# Altium PCB BLDC_DRIVER_auto_router.PcbDoc (part 2 of 3)
Units mil, origin at the board's own origin, x right, y up, seen from the top; angles counter-clockwise.
Board outline 6000 x 4000 mil, 4 copper layers (Top Layer, Signal Layer 1, Signal Layer 2, Bottom Layer), stack 33.334 mil thick; 189 components, 186 nets, 846 pads, 350 vias.
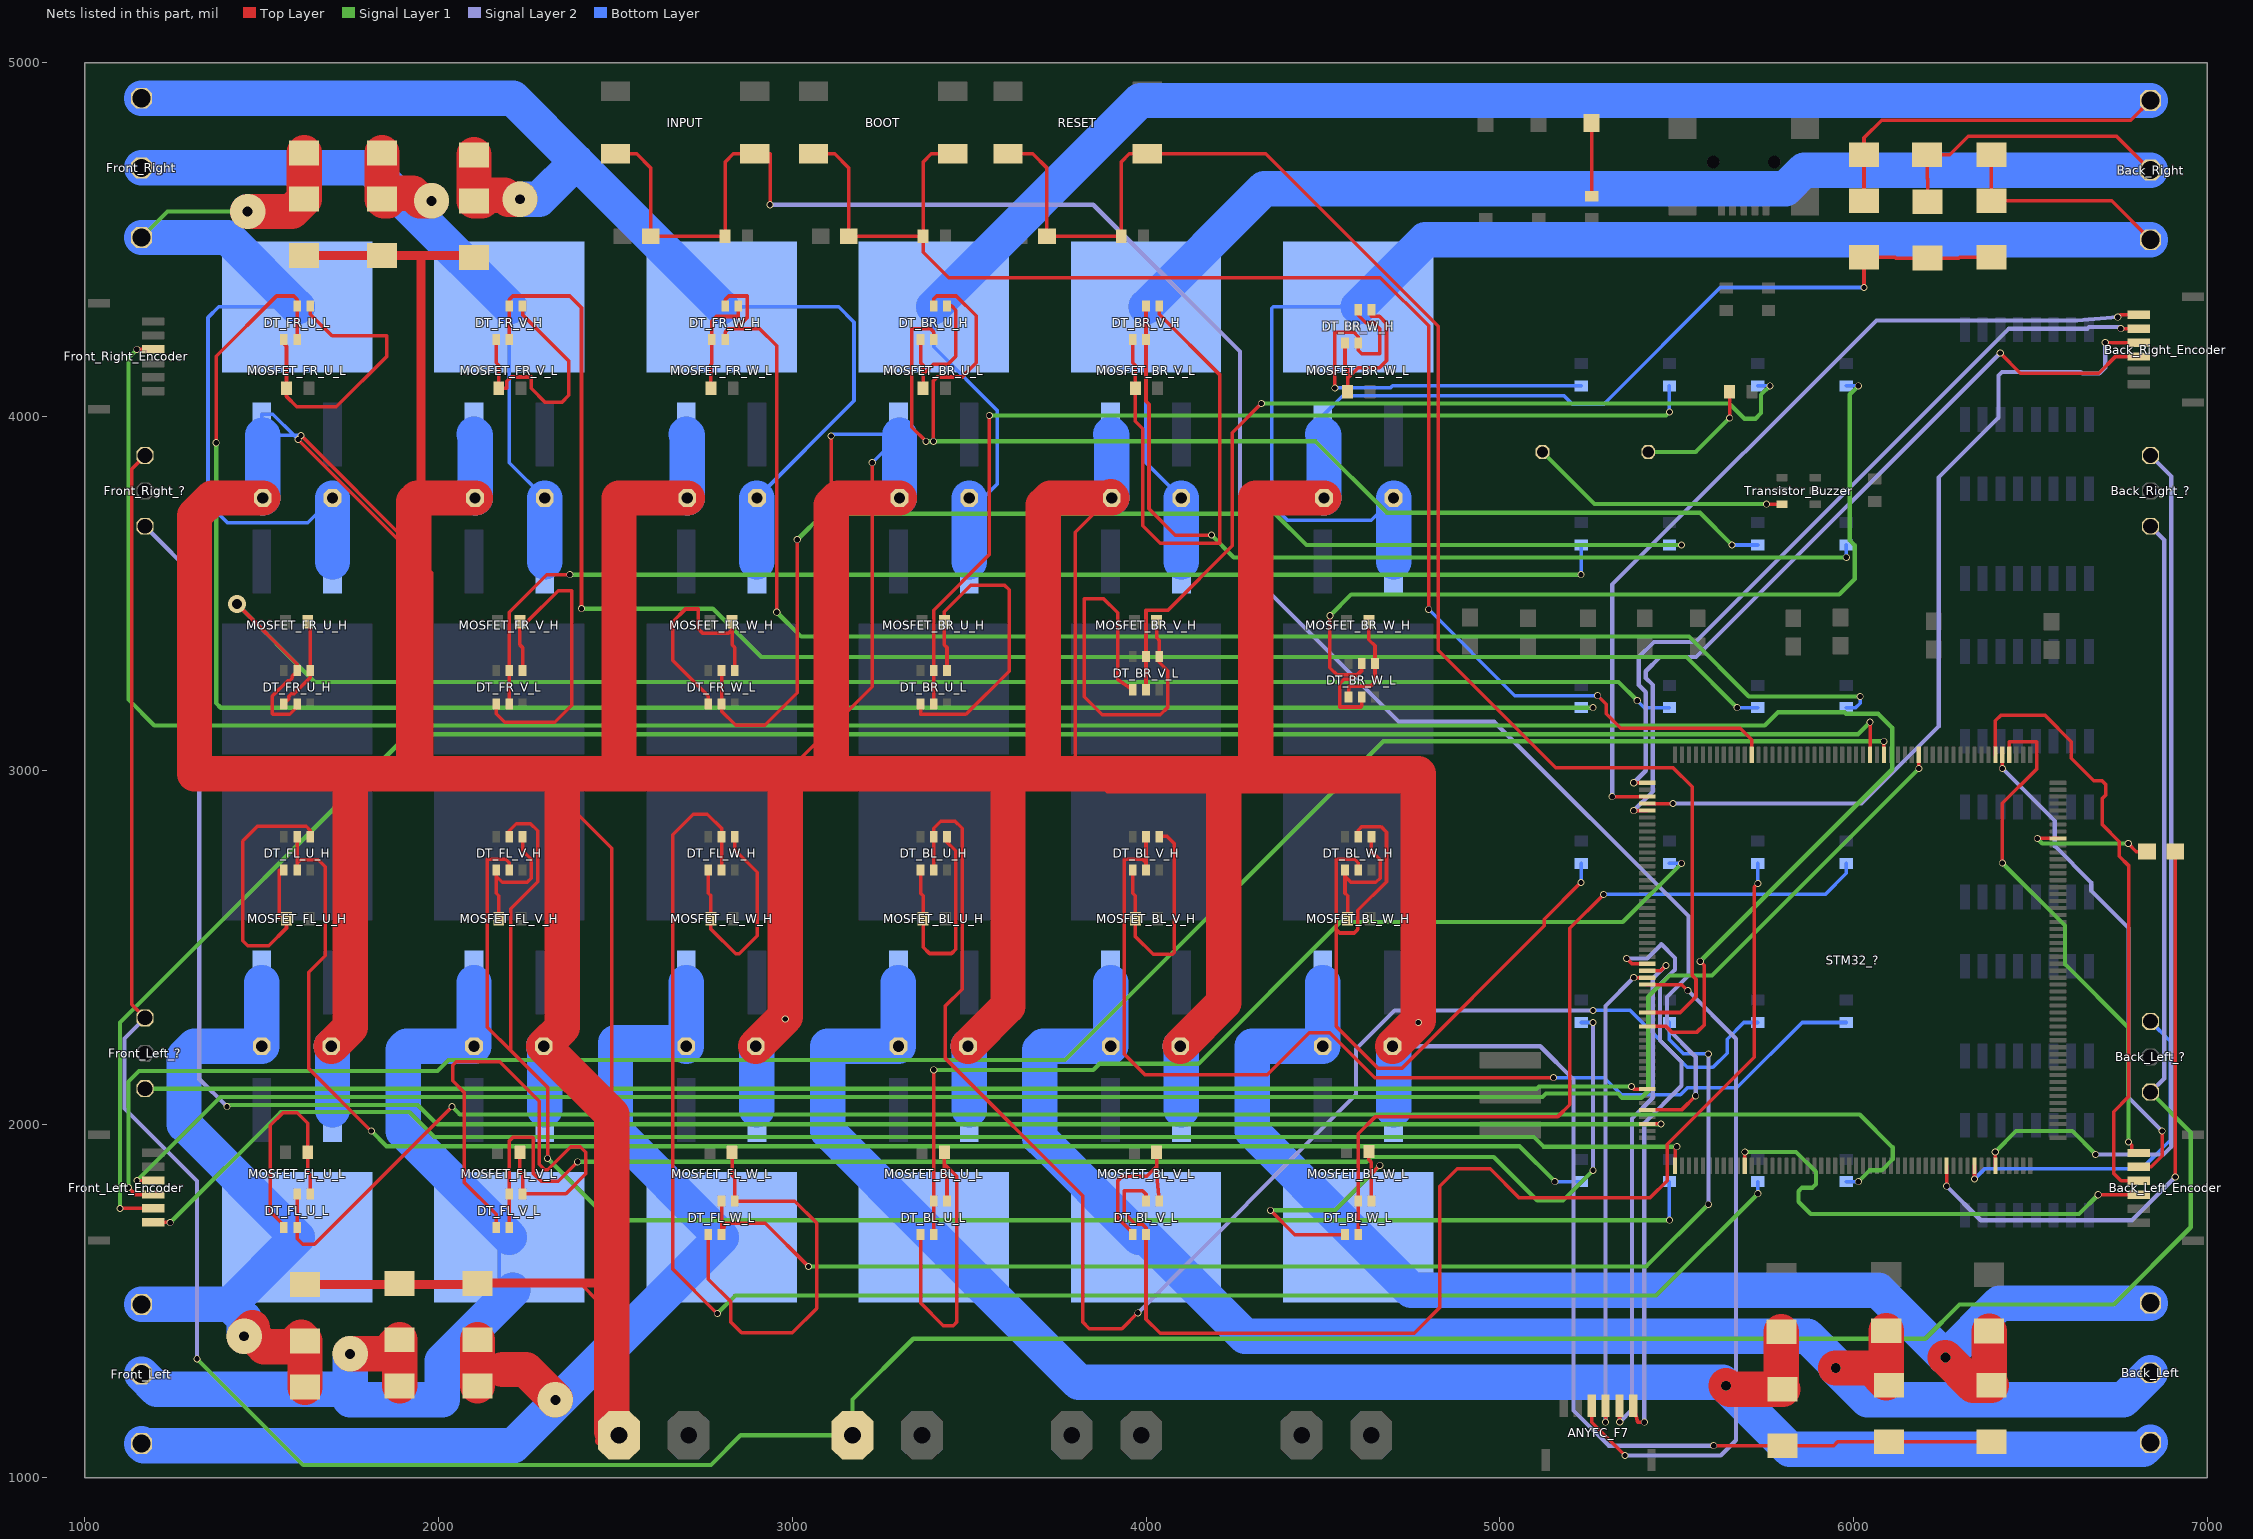
[diagram p4: the nets of this part, all layers, seen from the top]

## Via types
v1: diameter 20, hole 15, Top Layer to Bottom Layer, 335 vias
v2: diameter 100, hole 28, Top Layer to Bottom Layer, 7 vias
v3: diameter 50, hole 28, Top Layer to Bottom Layer, 5 vias
v4: diameter 28, hole 28, Top Layer to Bottom Layer, 3 vias

## Nets (pads, with @x,y where several pads share a name; then routed paths per layer and width w, separated by ;. In a path a pad name is that pad's centre, name@x,y a point inside that pad or via, vN(x,y) a via of type N, cw(c..) or ccw(c..) an arc to the next point about the centre after c; other vN are vias at no path point) (continued)
GND_MOTOR: C_BL_U.2 C_BL_V.2 C_BL_W.2 C_BR_U.2 C_BR_V.2 C_BR_W.2 C_FL_U.2 C_FL_V.2 C_FL_W.2 C_FR_U.2 C_FR_V.2 C_FR_W.2 MOSFET_BL_U_L.S MOSFET_BL_V_L.S MOSFET_BL_W_L.S MOSFET_BR_U_L.S MOSFET_BR_V_L.S MOSFET_BR_W_L.S MOSFET_FL_U_L.S MOSFET_FL_V_L.S MOSFET_FL_W_L.S MOSFET_FR_U_L.S MOSFET_FR_V_L.S MOSFET_FR_W_L.S MOTOR_Supply.1 Schottky_diode_BL_U_L.1 Schottky_diode_BL_V_L.1 Schottky_diode_BL_W_L.1 Schottky_diode_BR_U_L.1 Schottky_diode_BR_V_L.1 Schottky_diode_BR_W_L.1 Schottky_diode_FL_U_L.1 Schottky_diode_FL_V_L.1 Schottky_diode_FL_W_L.1 Schottky_diode_FR_U_L.1 Schottky_diode_FR_V_L.1 Schottky_diode_FR_W_L.1 | length 36630.7
  Top Layer w10: v1(1603,3935) 1930,3608 ; v1(1611,3946.85) 1930,3627.85 1930,3608 ; Schottky_diode_FL_U_L.1@1618.7,1549.45 Schottky_diode_FL_V_L.1@1890,1549.45 Schottky_diode_FL_W_L.1@2110,1549.45 2400,1549.45 ; MOTOR_Supply.1@2453.98,1103.98 2453.98,1495.47 2400,1549.45 ; MOTOR_Supply.1@2470,1120 MOTOR_Supply.1@2510,1120 ; v1(2980,2296.85) 2980,2303.15 2980,2990 ; v1(3110,3945) 3110,3750 3110,3120 ; v1(3226,3869.7) 3226,3236 3110,3120 ; C_BR_V.2@3900,3773.15 3800,3673.15 3800,3030 3890,2940 4720,2940 4770,2890 4770,2293.15 v1(4770,2287) ; v1(5605,1090.55) Schottky_diode_BL_U_L.1@5800,1090.55 5944,1090.55 5955.14,1101.69 Schottky_diode_BL_V_L.1@6100.19,1101.69 Schottky_diode_BL_W_L.1@6390.19,1101.69 ; v1(6030,4365) Schottky_diode_BR_U_L.1@6030,4450.55 6118,4450.55 6120.32,4448.23 Schottky_diode_BR_V_L.1@6210,4448.23 6298,4448.23 6300.32,4450.55 Schottky_diode_BR_W_L.1@6390,4450.55 ; 1930,3608 1980,3558 1980,3040 2030,2990 ; 1930,3608 1930,3040 1980,2990 2030,2990 ; 2030,2990 2280,2990 ; 2280,2990 2350,2990 2510,2990 2980,2990 ; 2280,2990 2490,2780 2490,2026.85 2490,1600 2439.45,1549.45 2400,1549.45 ; 2980,2990 3110,3120 ; 2980,2990 3060,2990 3110,3040 3110,3120
  Top Layer w25: Schottky_diode_FL_U_L.1@1618.7,1549.45 Schottky_diode_FL_U_L.1@1622.13,1546.02 2106.57,1546.02 Schottky_diode_FL_W_L.1@2110,1549.45 2110.55,1550 2490,1550 ; Schottky_diode_FR_U_L.1@1620,4455.55 Schottky_diode_FR_V_L.1@1840,4455.55 1950,4455.55 ; 1930,3760 1940,3770 1950,3780 1950,4455.55 ; Schottky_diode_FR_W_L.1@2100,4450 2094.45,4455.55 1950,4455.55 ; MOTOR_Supply.1@2453.98,1103.98 MOTOR_Supply.1@2470,1120 ; MOTOR_Supply.1@2490,1130.55 2499.45,1130.55 MOTOR_Supply.1@2510,1120
  Top Layer w100: C_FR_U.2@1503.15,3770 1360,3770 1310,3720 1310,2990 1750,2990 ; C_FL_U.2@1696.85,2220 1750,2273.15 1750,2990 ; 1930,3760 1930,2990 ; 1940,3770 C_FR_V.2@2103.15,3770 ; MOTOR_Supply.1@2490,1130.55 2490,1550 2490,2026.85 C_FL_V.2@2296.85,2220 2350,2273.15 2350,2990 ; C_FR_W.2@2703.15,3770 2510,3770 2510,2990 ; C_FL_W.2@2896.85,2220 2980,2303.15 2980,2990 ; C_BR_U.2@3303.15,3770 3130,3770 3110,3750 3110,2990 ; C_BL_U.2@3496.85,2220 3610,2333.15 3610,2990 ; C_BR_V.2@3900,3773.15 C_BR_V.2@3903.15,3770 3730,3770 3710,3750 3710,2990 ; C_BL_V.2@4096.85,2220 4220,2343.15 4220,2990 ; C_BR_W.2@4503.15,3770 4310,3770 4310,2990 ; C_BL_W.2@4696.85,2220 4770,2293.15 4770,2990 4310,2990 ; 1750,2990 1930,2990 ; 1930,2990 2350,2990 ; 2350,2990 2510,2990 ; 2510,2990 2980,2990 ; 2980,2990 3110,2990 ; 3110,2990 3610,2990 ; 3610,2990 3710,2990 ; 3710,2990 4220,2990 ; 4220,2990 4310,2990
  Signal Layer 2 w12: C_BL_W.2@4696.85,2220 5114.57,2220 5209,2125.57 5209,1190 5308.45,1090.55 v1(5605,1090.55)
  Bottom Layer w10: MOSFET_FR_U_L.S@1500,3950 1500,4007 1531,4007 1591.15,3946.85 ; MOSFET_FR_U_L.S@1503.15,3946.85 1591.15,3946.85 ; v1(1603,3935) 1591.15,3946.85 ; v1(1611,3946.85) 1591.15,3946.85 ; C_FL_W.2@2900,2216.85 v1(2980,2296.85) ; v1(3110,3945) 3115,3950 MOSFET_BR_U_L.S@3300,3950 ; v1(3226,3869.7) MOSFET_BR_U_L.S@3303.15,3946.85 ; C_BR_W.2@4503.15,3770 4503.15,3946.85 4503.15,4006.15 4556,4059 5182,4059 5206,4035 5294,4035 5624,4365 v1(6030,4365) ; C_BL_W.2@4700,2216.85 4770,2286.85 v1(4770,2287)
  Bottom Layer w100: C_FR_U.2@1503.15,3770 MOSFET_FR_U_L.S@1503.15,3946.85 ; C_FL_U.2@1696.85,2220 1700,2216.85 MOSFET_FL_U_L.S@1700,2040 ; MOSFET_FR_V_L.S@2100,3950 2103.15,3946.85 C_FR_V.2@2103.15,3770 ; C_FL_V.2@2296.85,2220 2300,2216.85 MOSFET_FL_V_L.S@2300,2040 ; MOSFET_FR_W_L.S@2700,3950 2703.15,3946.85 C_FR_W.2@2703.15,3770 ; MOSFET_FL_W_L.S@2900,2040 C_FL_W.2@2900,2216.85 ; C_BR_U.2@3303.15,3770 MOSFET_BR_U_L.S@3303.15,3946.85 ; C_BL_U.2@3496.85,2220 3500,2216.85 MOSFET_BL_U_L.S@3500,2040 ; MOSFET_BR_V_L.S@3900,3950 3903.15,3946.85 C_BR_V.2@3903.15,3770 ; C_BL_V.2@4096.85,2220 4100,2216.85 MOSFET_BL_V_L.S@4100,2040 ; MOSFET_BR_W_L.S@4500,3950 4503.15,3946.85 C_BR_W.2@4503.15,3770 ; MOSFET_BL_W_L.S@4700,2040 C_BL_W.2@4700,2216.85
GND_SERVO: Back_Left_?.1 Back_Right_?.1 Front_Left_?.1 Front_Right_?.1 Servo_Supply.1 | length 10854.7
  Top Layer w10: Front_Left_?.1@1170,2300 1132,2338 1132,3852 Front_Right_?.1@1170,3890
  Signal Layer 1 w12: v1(1317,1336) 1617,1036 2770,1036 2854,1120 Servo_Supply.1@3170,1120 3170,1221 3342,1393 6203,1393 6300,1490 6736,1490 6954,1708 6954,1976 Back_Left_?.1@6840,2090
  Signal Layer 2 w12: Front_Left_?.1@1170,2300 1111.98,2241.98 1111.98,2044.02 1317,1839 v1(1317,1336) ; Back_Left_?.1@6840,2090 6879,2129 6879,3651 Back_Right_?.1@6840,3690
NetANYFC_F7_3: ANYFC_F7.3 STM32_?.30 | length 1960.5
  Top Layer w10: ANYFC_F7.3@5259.92,1203.54 5259.92,1157.08 v1(5354,1063) ; STM32_?.30@5417.17,2394.02 5514.89,2394.02 v1(5531.9,2377)
  Signal Layer 2 w12: v1(5354,1063) 5625,1063 5668,1106 5668,2240.9 v1(5531.9,2377)
NetANYFC_F7_4: ANYFC_F7.4 STM32_?.29 | length 1374.7
  Top Layer w10: v1(5299,1157) 5299.29,1157.29 ANYFC_F7.4@5299.29,1203.54 ; v1(5379,2413.7) STM32_?.29@5417.17,2413.7
  Signal Layer 2 w12: v1(5299,1157) 5299,2333.7 v1(5379,2413.7)
NetANYFC_F7_5: ANYFC_F7.5 STM32_?.28 | length 1449.5
  Top Layer w10: ANYFC_F7.5@5338.66,1203.54 5338.66,1158.35 v1(5339.34,1157.68) ; STM32_?.28@5417.17,2433.39 5455.39,2433.39 v1(5470,2448)
  Signal Layer 2 w12: v1(5339.34,1157.68) 5374,1192.34 5374,2015.27 5432.9,2074.17 5432.9,2410.9 v1(5470,2448)
NetANYFC_F7_6: ANYFC_F7.6 STM32_?.27 | length 1699.4
  Top Layer w10: v1(5358.93,2468) 5373.86,2453.07 STM32_?.27@5417.17,2453.07 ; ANYFC_F7.6@5378.03,1203.54 5390,1157 v1(5409,1157)
  Signal Layer 2 w12: v1(5358.93,2468) 5417,2468 5457,2508 5495.42,2469.58 5495.42,2436.42 5452.9,2393.9 5452.9,2236.17 5514,2175.07 5514,2108 5409,2003 v1(5409,1157)
NetB_1: B.1 R180_LED_B.2 | length 207
  Top Layer w10: R180_LED_B.2@5260,4623 B.1@5260,4830
NetBack_Left_1: Back_Left.1 C_BL_U.1 MOSFET_BL_U_H.S MOSFET_BL_U_L.D Schottky_diode_BL_U_H.1 Schottky_diode_BL_U_L.2 | length 5069.3
  Top Layer w100: v4(5640,1260) 5650,1250 Schottky_diode_BL_U_L.2@5800,1250 5796.38,1253.62 Schottky_diode_BL_U_H.1@5796.38,1412.48
  Bottom Layer w100: MOSFET_BL_U_H.S@3300,2400 C_BL_U.1@3300,2220 3100,2220 3100,1979.76 MOSFET_BL_U_L.D@3400,1679.76 3809.76,1270 5630,1270 v4(5640,1260) 5820,1080 6820,1080 Back_Left.1@6840,1100
NetBack_Left_2: Back_Left.2 C_BL_V.1 MOSFET_BL_V_H.S MOSFET_BL_V_L.D Schottky_diode_BL_V_H.1 Schottky_diode_BL_V_L.2 | length 4572.3
  Top Layer w10: Schottky_diode_BL_V_H.1@6092.91,1415.19 6092.91,1341.28 6100.19,1334 Schottky_diode_BL_V_L.2@6100.19,1261.14
  Top Layer w100: v4(5950,1310) 6051.33,1310 6092.91,1268.42 Schottky_diode_BL_V_H.1@6092.91,1415.19
  Bottom Layer w100: MOSFET_BL_V_H.S@3900,2400 C_BL_V.1@3900,2220 3710,2220 3700,2210 3700,1960 3980.24,1679.76 MOSFET_BL_V_L.D@4000,1679.76 4279.76,1400 5870,1400 v4@5950,1320 ; v4(5950,1310) 6040,1220 6763.15,1220 Back_Left.2@6840,1296.85
NetBack_Left_3: Back_Left.3 C_BL_W.1 MOSFET_BL_W_H.S MOSFET_BL_W_L.D Schottky_diode_BL_W_H.1 Schottky_diode_BL_W_L.2 | length 3807.6
  Top Layer w100: v4(6260,1340) 6338.86,1261.14 Schottky_diode_BL_W_L.2@6390.19,1261.14 6383.89,1267.44 Schottky_diode_BL_W_H.1@6383.89,1414.41
  Bottom Layer w100: MOSFET_BL_W_H.S@4500,2400 C_BL_W.1@4500,2220 4300,2220 4300,1979.76 MOSFET_BL_W_L.D@4600,1679.76 4749.76,1530 6070,1530 v4(6260,1340) 6413.7,1493.7 Back_Left.3@6840,1493.7
NetBack_Left_?_3: Back_Left_?.3 STM32_?.96 | length 996.1
  Top Layer w10: v1(6342.36,1844.36) STM32_?.96@6342.36,1882.2
  Bottom Layer w10: v1(6342.36,1844.36) 6372,1874 6816,1874 6896,1954 6896,2234 Back_Left_?.3@6840,2290
NetBack_Left_Encoder_3: Back_Left_Encoder.3 STM32_?.63 | length 1383.7
  Top Layer w10: STM32_?.63@5692.76,1882.2 5692.76,1920.76 v1(5693,1921) ; v1(6692.08,1799.92) Back_Left_Encoder.3@6806.46,1799.92
  Signal Layer 1 w12: v1(5693,1921) 5838,1921 5894,1865 5894,1830 5884,1820 5855,1820 5845,1810 5845,1780 5879.57,1745.43 6637.58,1745.43 v1(6692.08,1799.92)
NetBack_Left_Encoder_4: Back_Left_Encoder.4 STM32_?.162 | length 1754.2
  Top Layer w10: STM32_?.162@6401.42,3043.62 6401.42,3140 6416.42,3155 6542,3155 6616,3081 6616,3034 6680,2970 6703.05,2970 6713.05,2960 6713.05,2930.05 6703,2920 6703,2847.19 6752,2798.19 6752,2757 6778,2731 6778,2077 6736,2035 6736,1860 6756.71,1839.29 Back_Left_Encoder.4@6806.46,1839.29
NetBack_Left_Encoder_5: Back_Left_Encoder.5 STM32_?.161 | length 1400.3
  Top Layer w10: v1(6421.1,3005) STM32_?.161@6421.1,3043.62 ; Back_Left_Encoder.5@6806.46,1878.66 6841.66,1878.66 6873,1910 v1(6873,1980)
  Signal Layer 2 w12: v1(6421.1,3005) 6569.49,2856.61 6569.49,2785.51 6672.21,2682.79 6672.21,2659.75 6778,2553.96 6778,2075 v1(6873,1980)
NetBack_Left_Encoder_6: Back_Left_Encoder.6 STM32_?.160 | length 1490.2
  Top Layer w10: v1(6421,2738) 6421,2906.46 6519,3004.46 6519,3081 6440.79,3081 STM32_?.160@6440.79,3043.62 ; v1(6778,1949) 6787,1940 6787,1918.03 Back_Left_Encoder.6@6806.46,1918.03
  Signal Layer 1 w12: v1(6421,2738) 6598,2561 6598,2452 6778,2272 v1(6778,1949)
NetBack_Right_1: Back_Right.1 C_BR_W.1 MOSFET_BR_W_H.S MOSFET_BR_W_L.D Schottky_diode_BR_W_H.1 Schottky_diode_BR_W_L.2 | length 4313.9
  Top Layer w10: Schottky_diode_BR_W_H.1@6390,4740.55 Schottky_diode_BR_W_L.2@6390,4610 6730,4610 Back_Right.1@6840,4500
  Bottom Layer w10: MOSFET_BR_W_L.D@4600,4310.24 4360,4310.24 4356,4306.24 4356,3751 4400,3707 4637,3707 C_BR_W.1@4700,3770
  Bottom Layer w100: MOSFET_BR_W_L.D@4600,4310.24 4789.76,4500 Back_Right.1@6840,4500 ; MOSFET_BR_W_H.S@4700,3590 C_BR_W.1@4700,3770
NetBack_Right_2: Back_Right.2 C_BR_V.1 MOSFET_BR_V_H.S MOSFET_BR_V_L.D Schottky_diode_BR_V_H.1 Schottky_diode_BR_V_L.2 | length 4588.5
  Top Layer w10: Schottky_diode_BR_V_L.2@6210,4607.68 6210,4672 6208.19,4673.81 Schottky_diode_BR_V_H.1@6208.19,4740.04 6272,4740.04 6324.96,4793 6743.85,4793 Back_Right.2@6840,4696.85
  Bottom Layer w10: MOSFET_BR_V_L.D@4000,4310.24 4000,3870 C_BR_V.1@4100,3770
  Bottom Layer w100: MOSFET_BR_V_L.D@4000,4310.24 4333.85,4644.09 5807.98,4644.09 5860.74,4696.85 Back_Right.2@6840,4696.85 ; MOSFET_BR_V_H.S@4100,3590 C_BR_V.1@4100,3770
NetBack_Right_3: Back_Right.3 C_BR_U.1 MOSFET_BR_U_H.S MOSFET_BR_U_L.D Schottky_diode_BR_U_H.1 Schottky_diode_BR_U_L.2 | length 5564.8
  Top Layer w10: Schottky_diode_BR_U_L.2@6030,4610 Schottky_diode_BR_U_H.1@6030,4740.55 6030,4788 6080,4838 6784.3,4838 Back_Right.3@6840,4893.7
  Bottom Layer w10: MOSFET_BR_U_L.D@3400,4310.24 3400,4197 3580,4017 3580,3810 3540,3770 C_BR_U.1@3500,3770
  Bottom Layer w100: MOSFET_BR_U_L.D@3400,4310.24 3983.46,4893.7 Back_Right.3@6840,4893.7 ; MOSFET_BR_U_H.S@3500,3590 C_BR_U.1@3500,3770
NetBack_Right_?_3: Back_Right_?.3 STM32_?.99 | length 2576.3
  Top Layer w10: v1(6401,1921) 6401.42,1920.58 STM32_?.99@6401.42,1882.2
  Signal Layer 1 w12: v1(6401,1921) 6460,1980 6619,1980 v1(6685,1914)
  Signal Layer 2 w12: v1(6685,1914) 6877,1914 6899,1936 6899,3831 Back_Right_?.3@6840,3890
NetBack_Right_Encoder_3: Back_Right_Encoder.3 STM32_?.5 | length 2272.1
  Top Layer w10: v1(5379,2886) 5379.14,2886.14 STM32_?.5@5417.17,2886.14 ; v1(6415.23,4179.92) 6472.15,4123 6694,4123 6740.92,4169.92 Back_Right_Encoder.3@6806.46,4169.92
  Signal Layer 2 w12: v1(5379,2886) 5433,2940 5433,3241 5413,3261 5413,3280 5453,3320 5555.31,3320 v1(6415.23,4179.92)
NetBack_Right_Encoder_4: Back_Right_Encoder.4 STM32_?.4 | length 2455.8
  Top Layer w10: STM32_?.4@5417.17,2905.83 5489.83,2905.83 v1(5490,2906) ; v1(6712,4209.29) Back_Right_Encoder.4@6806.46,4209.29
  Signal Layer 2 w12: v1(5490,2906) 6023,2906 6241,3124 6241,3828 6410,3997 6410,4116 6420,4126 6643,4126 6647,4122 6695,4122 6712,4139 v1(6712,4209.29)
NetBack_Right_Encoder_5: Back_Right_Encoder.5 STM32_?.1 | length 2217.6
  Top Layer w10: v1(5379,2964.88) STM32_?.1@5417.17,2964.88 ; v1(6756,4248.66) Back_Right_Encoder.5@6806.46,4248.66
  Signal Layer 2 w12: v1(5379,2964.88) 5413,2998.88 5413,3221 5393,3241 5393,3320 5436,3363 5553.78,3363 6439.45,4248.66 6661.67,4248.66 6666.3,4253.29 6751.37,4253.29 v1(6756,4248.66)
NetBack_Right_Encoder_6: Back_Right_Encoder.6 STM32_?.3 | length 2499.7
  Top Layer w10: v1(5318,2925.51) STM32_?.3@5417.17,2925.51 ; v1(6747.49,4281.29) 6754.23,4288.03 Back_Right_Encoder.6@6806.46,4288.03
  Signal Layer 2 w12: v1(5318,2925.51) 5318,3525 6065,4272 6632.38,4272 v1(6747.49,4281.29)
NetBOOT_1: BOOT.1 BOOT.2 C100n_BOOT.1 R10k_BOOT.1 STM32_?.197 | length 4309.3
  Top Layer w10: BOOT.2@3060,4742.83 3120,4742.83 3160,4702.83 C100n_BOOT.1@3160,4510 R10k_BOOT.1@3370,4510 ; BOOT.1@3453.7,4742.83 3392.83,4742.83 3370,4720 R10k_BOOT.1@3370,4510 ; v1(4799,3455) 4799,4256.54 4662.54,4393 3442,4393 3370,4465 R10k_BOOT.1@3370,4510 ; v1(5277,3211) 5301,3187 5301,3160 5342,3119 5680,3119 5712.44,3086.56 STM32_?.197@5712.44,3043.62
  Bottom Layer w10: v1(4799,3455) 5043,3211 v1(5277,3211)
NetBuzzer_1: Buzzer.1 Transistor_Buzzer.6 | length 738
  Top Layer w10: v1(5754.4,3752.6) Transistor_Buzzer.6@5797.72,3752.6
  Signal Layer 1 w12: Buzzer.1@5120.79,3900 5268.19,3752.6 v1(5754.4,3752.6)
NetBuzzer_2: Buzzer.2 R_Buzzer.1 | length 343.8
  Top Layer w10: v1(5650,3996) R_Buzzer.1@5650,4070
  Signal Layer 1 w12: Buzzer.2@5420,3900 5554,3900 v1(5650,3996)
NetC2u2-ESRmax2_1: C2u2-ESRmax2.1 STM32_?.148 | length 384.1
  Top Layer w10: v1(6520,2807) 6520.4,2807.4 STM32_?.148@6578.58,2807.4 ; v1(6777,2793) 6800,2770 C2u2-ESRmax2.1@6830,2770
  Signal Layer 1 w12: v1(6520,2807) 6534,2793 v1(6777,2793)
NetC2u2-ESRmax2_2: C2u2-ESRmax2.2 STM32_?.92 | length 1714.7
  Top Layer w10: v1(6263.62,1824.38) STM32_?.92@6263.62,1882.2 ; v1(6910,1850) C2u2-ESRmax2.2@6910,2770
  Signal Layer 2 w12: v1(6263.62,1824.38) 6360.07,1727.93 6787.93,1727.93 v1(6910,1850)
NetC100n_IN_1: C100n_IN.1 INPUT.1 INPUT.2 R10k_IN.1 STM32_?.48 | length 5510.5
  Top Layer w10: INPUT.2@2500,4742.83 2560,4742.83 2600,4702.83 C100n_IN.1@2600,4510 R10k_IN.1@2810,4510 2810,4720 2832.83,4742.83 INPUT.1@2893.7,4742.83 2937,4742.83 v1(2937,4599) ; STM32_?.48@5417.17,2039.69 5514,2039.69 v1(5554,2079.69)
  Signal Layer 2 w12: v1(2937,4599) 3851,4599 4266,4184 4266,3586 4715,3137 4984.77,3137 5534,2587.77 5534,2420 5472.9,2358.9 5472.9,2271.1 5554,2190 v1(5554,2079.69)
NetC100n_RST_1: C100n_RST.1 R10k_RST.1 RESET.1 RESET.2 STM32_?.34 | length 4394.7
  Top Layer w10: RESET.2@3610,4742.83 3680,4742.83 3720,4702.83 C100n_RST.1@3720,4510 R10k_RST.1@3930,4510 3930,4720 3952.83,4742.83 RESET.1@4003.7,4742.83 4338.17,4742.83 4826,4255 4826,3339 5158,3007 5490,3007 5544,2953 5544,2420 5555,2409 5555,2360 5510.28,2315.28 STM32_?.34@5417.17,2315.28
NetC_FL_U_1: C_FL_U.1 Front_Left.1 MOSFET_FL_U_H.S MOSFET_FL_U_L.D Schottky_diode_FL_U_H.1 Schottky_diode_FL_U_L.2 | length 2050.9
  Top Layer w10: Schottky_diode_FL_U_L.2@1611.35,1397.35 1622.13,1397.35 Schottky_diode_FL_U_L.2@1622.13,1386.57
  Top Layer w100: v2@1473.98,1423.98 v2(1450,1400) 1476.84,1400 1506.26,1370.57 1584.56,1370.57 Schottky_diode_FL_U_L.2@1611.35,1397.35 ; Schottky_diode_FL_U_H.1@1622.13,1256.02 Schottky_diode_FL_U_L.2@1622.13,1386.57
  Bottom Layer w100: Front_Left.1@1160,1490 1410.24,1490 ; v2(1450,1400) 1450,1450.24 1410.24,1490 ; MOSFET_FL_U_H.S@1500,2400 C_FL_U.1@1500,2220 1310,2220 1280,2190 1280,1999.76 MOSFET_FL_U_L.D@1600,1679.76 1410.24,1490
NetC_FL_V_1: C_FL_V.1 Front_Left.2 MOSFET_FL_V_H.S MOSFET_FL_V_L.D Schottky_diode_FL_V_H.1 Schottky_diode_FL_V_L.2 | length 2932.2
  Top Layer w100: v2(1750,1350) 1850,1350 Schottky_diode_FL_V_L.2@1890,1390 Schottky_diode_FL_V_H.1@1890,1259.45
  Bottom Layer w10: MOSFET_FL_V_L.D@2200,1679.76 2172,1679.76 2172,1529.76 MOSFET_FL_V_L.D@2210,1529.76
  Bottom Layer w100: Front_Left.2@1160,1293.15 1203.15,1250 1750,1250 ; v2(1750,1350) 1750,1250 ; MOSFET_FL_V_H.S@2100,2400 C_FL_V.1@2100,2220 1910,2220 1900,2210 1900,1979.76 MOSFET_FL_V_L.D@2200,1679.76 ; MOSFET_FL_V_L.D@2210,1529.76 2010,1329.76 2010,1220 1750,1220 1750,1250
NetC_FL_W_1: C_FL_W.1 Front_Left.3 MOSFET_FL_W_H.S MOSFET_FL_W_L.D Schottky_diode_FL_W_H.1 Schottky_diode_FL_W_L.2 | length 3373.8
  Top Layer w10: Schottky_diode_FL_W_H.1@2110,1259.45 2110,1296 2120,1306 2181.56,1306
  Top Layer w100: Schottky_diode_FL_W_H.1@2110,1259.45 Schottky_diode_FL_W_L.2@2110,1390 ; 2181.56,1306 2246.44,1306 2330,1222.44 v2(2330,1220)
  Bottom Layer w100: Front_Left.3@1160,1096.3 1166.3,1090 2210.24,1090 MOSFET_FL_W_L.D@2800,1679.76 2500,1979.76 2500,2230 2690,2230 C_FL_W.1@2700,2220 MOSFET_FL_W_H.S@2700,2400
NetC_FR_U_1: C_FR_U.1 Front_Right.3 MOSFET_FR_U_H.S MOSFET_FR_U_L.D Schottky_diode_FR_U_H.1 Schottky_diode_FR_U_L.2 | length 2530.1
  Top Layer w100: v2(1460,4580) 1585,4580 Schottky_diode_FR_U_L.2@1620,4615 Schottky_diode_FR_U_H.1@1620,4745.55
  Signal Layer 1 w12: Front_Right.3@1160,4506.3 1233.7,4580 v2(1460,4580)
  Bottom Layer w10: MOSFET_FR_U_L.D@1600,4310.24 1378.24,4310.24 1348,4280 1348,3755 1403,3700 1630,3700 C_FR_U.1@1700,3770
  Bottom Layer w100: Front_Right.3@1160,4506.3 1403.94,4506.3 MOSFET_FR_U_L.D@1600,4310.24 ; MOSFET_FR_U_H.S@1700,3590 C_FR_U.1@1700,3770
NetC_FR_V_1: C_FR_V.1 Front_Right.2 MOSFET_FR_V_H.S MOSFET_FR_V_L.D Schottky_diode_FR_V_H.1 Schottky_diode_FR_V_L.2 | length 2326.1
  Top Layer w100: Schottky_diode_FR_V_H.1@1840,4745.55 Schottky_diode_FR_V_L.2@1840,4615 1845,4610 1856.56,4610 1856.56,4631 1926.44,4631 1947.44,4610 v2(1980,4610)
  Bottom Layer w10: MOSFET_FR_V_L.D@2200,4310.24 2200,3870 C_FR_V.1@2300,3770
  Bottom Layer w100: Front_Right.2@1160,4703.15 1807.09,4703.15 1935.12,4575.12 ; v2(1980,4610) 1970,4610 1935.12,4575.12 ; MOSFET_FR_V_L.D@2200,4310.24 1935.12,4575.12 ; MOSFET_FR_V_H.S@2300,3590 C_FR_V.1@2300,3770
NetC_FR_W_1: C_FR_W.1 Front_Right.1 MOSFET_FR_W_H.S MOSFET_FR_W_L.D Schottky_diode_FR_W_H.1 Schottky_diode_FR_W_L.2 | length 3552.2
  Top Layer w100: Schottky_diode_FR_W_H.1@2100,4740 Schottky_diode_FR_W_L.2@2100,4609.45 2121.56,4609.45 2121.56,4625.45 2186.44,4625.45 2197.44,4614.45 v2(2230,4614.45)
  Bottom Layer w10: MOSFET_FR_W_L.D@2800,4310.24 3131.16,4310.24 3174.4,4267 3174.4,4044.4 C_FR_W.1@2900,3770
  Bottom Layer w100: Front_Right.1@1160,4900 2210.24,4900 2390,4720.24 ; v2(2230,4614.45) 2284.21,4614.45 2390,4720.24 ; MOSFET_FR_W_L.D@2800,4310.24 2390,4720.24 ; MOSFET_FR_W_H.S@2900,3590 C_FR_W.1@2900,3770
NetDT_BL_U_H_1: DT_BL_U_H.1 DT_BL_U_H.4 R_BL_U_H.1 | length 653.6
  Top Layer w10: DT_BL_U_H.4@3362.6,2717.72 3362.6,2652.4 3370,2645 R_BL_U_H.1@3370,2580 3370,2500.08 3388.08,2482 3450,2482 3462,2494 3462,2772.4 3437.4,2797 DT_BL_U_H.1@3437.4,2812.2
NetDT_BL_U_H_2: DT_BL_U_H.2 DT_BL_U_H.5 R_DT_BL_U_H.2 | length 4299
  Top Layer w10: DT_BL_U_H.5@3400,2717.72 DT_BL_U_H.2@3400,2812.2 3400,2836 3420,2856 3460,2856 3480,2836 3480,2381 3433,2334 3433,2185 3821,1797 3821,1440 3840,1421 3932,1421 v1(3977,1466)
  Signal Layer 2 w12: v1(3977,1466) 4594,2083 4594,2212 4703,2321 v1(5264,2321)
  Bottom Layer w10: v1(5264,2321) 5369,2321 5530,2160 5603,2160 5643,2200 5643,2240 5690,2287 R_DT_BL_U_H.2@5730,2287
NetDT_BL_U_L_1: DT_BL_U_L.1 DT_BL_U_L.4 R_BL_U_L.1 | length 928.9
  Top Layer w10: DT_BL_U_L.4@3362.6,1687.72 3362.6,1494.4 3427,1430 3455,1430 3465,1440 3465,1852 3430,1887 ; R_BL_U_L.1@3430,1920 3430,1887 ; DT_BL_U_L.1@3437.4,1782.2 3437.4,1847 3430,1854.4 3430,1887
NetDT_BL_U_L_2: DT_BL_U_L.2 DT_BL_U_L.5 R_DT_BL_U_L.2 | length 2855.2
  Top Layer w10: DT_BL_U_L.5@3400,1687.72 DT_BL_U_L.2@3400,1782.2 v1(3400,2153)
  Signal Layer 1 w12: v1(3400,2153) 3851,2153 3868,2170 4148,2170 4549,2571 5348,2571 v1(5514,2737)
  Bottom Layer w10: R_DT_BL_U_L.2@5480,2737 v1(5514,2737)
NetDT_BL_V_H_1: DT_BL_V_H.1 DT_BL_V_H.4 R_BL_V_H.1 | length 683.8
  Top Layer w10: DT_BL_V_H.4@3962.6,2717.72 3962.6,2652.4 3970,2645 R_BL_V_H.1@3970,2580 3970,2530 4020,2480 4076,2480 4080,2484 4080,2793 4060,2813 4037.4,2813 DT_BL_V_H.1@4037.4,2812.2
NetDT_BL_V_H_2: DT_BL_V_H.2 DT_BL_V_H.5 R_DT_BL_V_H.2 | length 2984.5
  Top Layer w10: DT_BL_V_H.5@4000,2717.72 4000,2739 ; DT_BL_V_H.2@4000,2812.2 4000,2739 ; v1(5152,2131) 4647,2131 4520,2258 4462,2258 4343,2139 3997.18,2139 3938,2198.18 3938,2749 3990,2749 4000,2739
  Bottom Layer w10: v1(5152,2131) 5296,2131 5344.31,2082.69 5511,2082.69 5531,2102.69 5670.69,2102.69 5855,2287 R_DT_BL_V_H.2@5980,2287
NetDT_BL_V_L_1: DT_BL_V_L.1 DT_BL_V_L.4 R_BL_V_L.1 | length 433.7
  Top Layer w10: DT_BL_V_L.4@3962.6,1687.72 3962.6,1692 3920.77,1733.83 3920.77,1840.18 3932.59,1852 4002,1852 4030,1880 ; R_BL_V_L.1@4030,1920 4030,1880 ; DT_BL_V_L.1@4037.4,1782.2 4030,1854.4 4030,1880
NetDT_BL_V_L_2: DT_BL_V_L.2 DT_BL_V_L.5 R_DT_BL_V_L.2 | length 3424.8
  Top Layer w10: DT_BL_V_L.2@4000,1782.2 4000,1801 3990,1811 3938.77,1811 3938.77,1748.23 3970,1717 3990,1717 4000,1707 DT_BL_V_L.5@4000,1687.72 4000,1448 4040,1408 4758,1408 4831,1481 4831,1824 4880,1873 4973,1873 5054,1792 5426,1792 5474,1840 5474,1943 5720,2189 5720,2670 v1(5730,2680)
  Bottom Layer w10: v1(5730,2680) R_DT_BL_V_L.2@5730,2737
NetDT_BL_W_H_1: DT_BL_W_H.1 DT_BL_W_H.4 R_BL_W_H.1 | length 379.6
  Top Layer w10: DT_BL_W_H.4@4562.6,2717.72 4562.6,2700 ; R_BL_W_H.1@4570,2580 4570,2645 4562.6,2652.4 4562.6,2700 ; DT_BL_W_H.1@4637.4,2812.2 4637.4,2771.6 4662,2747 4662,2695 4650,2683 4579.6,2683 4562.6,2700
NetDT_BL_W_H_2: DT_BL_W_H.2 DT_BL_W_H.5 R_DT_BL_W_H.2 | length 2072.3
  Top Layer w10: DT_BL_W_H.5@4600,2717.72 4600,2739 4590,2749 4538,2749 4538,2550 ; DT_BL_W_H.2@4600,2812.2 4600,2831 4610,2841 4664.2,2841 4680,2825.2 4680,2685 4599,2604 4599,2550 4589,2540 4548,2540 4538,2550 ; v1(5230,2683) 5126,2579 5126,2560.05 4722.95,2157 4656.85,2157 4538,2275.85 4538,2550
  Bottom Layer w10: v1(5230,2683) R_DT_BL_W_H.2@5230,2737
NetDT_BL_W_L_1: DT_BL_W_L.1 DT_BL_W_L.4 R_BL_W_L.1 | length 778
  Top Layer w10: v1(4352,1756) 4421,1687 4562.6,1687 DT_BL_W_L.4@4562.6,1687.72 ; R_BL_W_L.1@4630,1922.28 4630,1898.43 4637.4,1891.03 4637.4,1859.4 ; DT_BL_W_L.1@4637.4,1782.2 4637.4,1859.4 ; v1(4661,1883) 4637.4,1859.4
  Signal Layer 1 w12: v1(4352,1756) 4534,1756 v1(4661,1883)
NetDT_BL_W_L_2: DT_BL_W_L.2 DT_BL_W_L.5 R_DT_BL_W_L.2 | length 2289.7
  Top Layer w10: DT_BL_W_L.5@4600,1687.72 DT_BL_W_L.2@4600,1782.2 4600,1972 4649,2021 5164.64,2021 5198,2054.36 5198,2553 v1(5294,2649)
  Bottom Layer w10: v1(5294,2649) 5920,2649 5980,2709 R_DT_BL_W_L.2@5980,2737
NetDT_BR_U_H_1: DT_BR_U_H.1 DT_BR_U_H.4 R_BR_U_H.1 | length 414.9
  Top Layer w10: DT_BR_U_H.4@3362.6,4217.72 3362.6,4152.4 3370,4145 3370,4120 ; R_BR_U_H.1@3370,4080 3370,4120 ; DT_BR_U_H.1@3437.4,4312.2 3437.4,4313 3450,4313 3462,4301 3462,4170 3440,4148 3398,4148 3370,4120
NetDT_BR_U_H_2: DT_BR_U_H.2 DT_BR_U_H.5 R_DT_BR_U_H.2 | length 3509.7
  Top Layer w10: v1(3378,3930) 3338,3970 3338,4249 3390,4249 3400,4239 DT_BR_U_H.5@3400,4217.72 ; v1(3399,3930) 3399,4101 3410,4112 3480,4112 3520,4152 3520,4284.95 3464,4340.95 3407.95,4340.95 3400,4333 DT_BR_U_H.2@3400,4312.2
  Signal Layer 1 w12: v1(3378,3930) v1(3399,3930) 4479,3930 4681,3728 5566,3728 v1(5657,3637)
  Bottom Layer w10: v1(5657,3637) R_DT_BR_U_H.2@5730,3637
NetDT_BR_U_L_1: DT_BR_U_L.1 DT_BR_U_L.4 R_BR_U_L.1 | length 948.4
  Top Layer w10: DT_BR_U_L.4@3362.6,3187.72 3362.6,3159 3363.6,3158 3491,3158 3613,3280 3613,3510 3600,3523 3505,3523 3430,3448 R_BR_U_L.1@3430,3420 3430,3354.4 3437.4,3347 DT_BR_U_L.1@3437.4,3282.2
NetDT_BR_U_L_2: DT_BR_U_L.2 DT_BR_U_L.5 R_DT_BR_U_L.2 | length 2881.5
  Top Layer w10: DT_BR_U_L.5@3400,3187.72 DT_BR_U_L.2@3400,3282.2 3400,3453 3557,3610 v1(3557,4003)
  Signal Layer 1 w12: v1(3557,4003) 5470,4003 v1(5480,4013)
  Bottom Layer w10: v1(5480,4013) R_DT_BR_U_L.2@5480,4087
NetDT_BR_V_H_1: DT_BR_V_H.1 DT_BR_V_H.4 R_BR_V_H.1 | length 1516.6
  Top Layer w10: DT_BR_V_H.4@3962.6,4217.72 3962.6,4152.4 3970,4145 R_BR_V_H.1@3970,4080 3970,3986.5 3990.5,3966 3990.5,3691.5 4040,3642 4208,3642 4208,4119 4037.4,4289.6 DT_BR_V_H.1@4037.4,4312.2
NetDT_BR_V_H_2: DT_BR_V_H.2 DT_BR_V_H.5 R_DT_BR_V_H.2 | length 2639.7
  Top Layer w10: DT_BR_V_H.2@4000,4312.2 DT_BR_V_H.5@4000,4217.72 4000,4043 4008.5,4034.5 4008.5,3739.5 4083,3665 v1(4185,3665)
  Signal Layer 1 w12: v1(4185,3665) 4248,3602 v1(5980,3602)
  Bottom Layer w10: v1(5980,3602) R_DT_BR_V_H.2@5980,3637
NetDT_BR_V_L_1: DT_BR_V_L.1 DT_BR_V_L.4 R_BR_V_L.1 | length 1149.8
  Top Layer w10: DT_BR_V_L.4@3962.6,3227.72 3920,3257 3920,3445 3880,3485 3825,3485 3825,3208 3876,3157 4040,3157 4062,3179 4062,3280.4 4037.4,3305 DT_BR_V_L.1@4037.4,3322.2 4037.4,3367 4030,3374.4 R_BR_V_L.1@4030,3420
NetDT_BR_V_L_2: DT_BR_V_L.2 DT_BR_V_L.5 R_DT_BR_V_L.2 | length 2538.9
  Top Layer w10: DT_BR_V_L.5@4000,3227.72 DT_BR_V_L.2@4000,3322.2 4000,3452 4061.15,3452 4243.85,3634.69 4243.85,3954.85 v1(4326,4037)
  Signal Layer 1 w12: v1(4326,4037) 5649,4037 5692,3994 5723,3994 5739,4010 5739,4062 v1(5764,4087)
  Bottom Layer w10: R_DT_BR_V_L.2@5730,4087 v1(5764,4087)
NetDT_BR_W_H_1: DT_BR_W_H.1 DT_BR_W_H.4 R_BR_W_H.1 | length 446.6
  Top Layer w10: DT_BR_W_H.4@4562.6,4207.72 4562.6,4142.4 4570,4135 4570,4108 ; R_BR_W_H.1@4570,4070 4570,4108 ; DT_BR_W_H.1@4637.4,4302.2 4637.4,4283.42 4660,4283.42 4680,4263.42 4680,4158 4660,4138 4600,4138 4570,4108
NetDT_BR_W_H_2: DT_BR_W_H.2 DT_BR_W_H.5 R_DT_BR_W_H.2 | length 1194.6
  Top Layer w10: v1(4534,4081) 4534,4239 4587,4239 4600,4226 DT_BR_W_H.5@4600,4207.72 4600,4188 4610,4178 4661.23,4178 4661.23,4248.77 4644.58,4265.42 4621,4265.42 4600,4286.42 DT_BR_W_H.2@4600,4302.2
  Bottom Layer w10: v1(4534,4081) 4691,4081 4697,4087 R_DT_BR_W_H.2@5230,4087
NetDT_BR_W_L_1: DT_BR_W_L.1 DT_BR_W_L.4 R_BR_W_L.1 | length 286.7
  Top Layer w10: DT_BR_W_L.4@4572.6,3207.72 4572.6,3237 4634.4,3237 4647.4,3250 DT_BR_W_L.1@4647.4,3302.2 4647.4,3352 4630,3369.4 R_BR_W_L.1@4630,3420
NetDT_BR_W_L_2: DT_BR_W_L.2 DT_BR_W_L.5 R_DT_BR_W_L.2 | length 2627.6
  Top Layer w10: v1(4520,3437) 4520,3290 4540,3270 4596,3270 ; DT_BR_W_L.5@4610,3207.72 4610,3181.97 4607,3178.97 4548,3178.97 4548,3245 4560,3257 4583,3257 4596,3270 ; DT_BR_W_L.2@4610,3302.2 4610,3284 ; 4596,3270 4600,3270 4610,3280 4610,3284 ; 4596,3270 4610,3284
  Signal Layer 1 w12: v1(4520,3437) 4580,3497 5960,3497 6004,3541 6004,3636 5990,3650 5990,4063 v1(6014,4087)
  Bottom Layer w10: R_DT_BR_W_L.2@5980,4087 v1(6014,4087)
NetDT_FL_U_H_1: DT_FL_U_H.1 DT_FL_U_H.4 R_FL_U_H.1 | length 860.4
  Top Layer w10: DT_FL_U_H.4@1562.6,2717.72 1562.6,2717 1550,2717 1550,2580 R_FL_U_H.1@1570,2580 1570,2554 1520,2504 1460,2504 1446,2518 1446,2800 1488,2842 1625.4,2842 1637.4,2830 DT_FL_U_H.1@1637.4,2812.2
NetDT_FL_U_H_2: DT_FL_U_H.2 DT_FL_U_H.5 R_DT_FL_U_H.2 | length 4505.9
  Top Layer w10: DT_FL_U_H.5@1600,2717.72 1600,2737 ; DT_FL_U_H.2@1600,2812.2 1600,2737 ; v1(1810,1980) 1633,2157 1633,2429 1680,2476 1680,2727 1660,2747 1610,2747 1600,2737
  Signal Layer 1 w12: v1(1810,1980) 1853,1937 5056,1937 v1(5156,1837)
  Bottom Layer w10: v1(5156,1837) R_DT_FL_U_H.2@5230,1837
NetDT_FL_U_L_1: DT_FL_U_L.1 DT_FL_U_L.4 R_FL_U_L.1 | length 640.5
  Top Layer w10: DT_FL_U_L.4@1562.6,1707.72 1562.6,1714 1524,1752.6 1524,1996 1560,2032 1600,2032 1630,2002 R_FL_U_L.1@1630,1920 1630,1864.4 1637.4,1857 DT_FL_U_L.1@1637.4,1802.2
NetDT_FL_U_L_2: DT_FL_U_L.2 DT_FL_U_L.5 R_DT_FL_U_L.2 | length 5043.7
  Top Layer w10: DT_FL_U_L.2@1600,1802.2 DT_FL_U_L.5@1600,1707.72 1600,1676 1616,1660 1649,1660 v1(2038,2049)
  Signal Layer 1 w12: v1(2038,2049) 2060,2027 6018,2027 6111,1934 6111,1900 6080,1869 6046,1869 v1(6014,1837)
  Bottom Layer w10: R_DT_FL_U_L.2@5980,1837 v1(6014,1837)
NetDT_FL_V_H_1: DT_FL_V_H.1 DT_FL_V_H.4 R_FL_V_H.1 | length 379.6
  Top Layer w10: DT_FL_V_H.4@2162.6,2717.72 2162.6,2700 ; R_FL_V_H.1@2170,2580 2170,2645 2162.6,2652.4 2162.6,2700 ; DT_FL_V_H.1@2237.4,2812.2 2237.4,2773 2262,2748.4 2262,2695 2250,2683 2179.6,2683 2162.6,2700
NetDT_FL_V_H_2: DT_FL_V_H.2 DT_FL_V_H.5 R_DT_FL_V_H.2 | length 5123.2
  Top Layer w10: DT_FL_V_H.5@2200,2717.72 2200,2739 2190,2749 2138,2749 2138,2274 2204,2208 ; DT_FL_V_H.2@2200,2812.2 2200,2829 2220,2849 2260,2849 2280,2829 2280,2685 2204,2609 2204,2208 ; v1(2308,1903) 2308,2104 2204,2208
  Signal Layer 1 w12: v1(2308,1903) 2483,1728 v1(5480,1728)
  Bottom Layer w10: v1(5480,1728) R_DT_FL_V_H.2@5480,1837
NetDT_FL_V_L_1: DT_FL_V_L.1 DT_FL_V_L.4 R_FL_V_L.1 | length 1537
  Top Layer w10: DT_FL_V_L.4@2162.6,1707.72 2162.6,1745 2072,1835.6 2072,2090 2040,2122 2040,2166 2050,2176 2173,2176 2285,2064 2285,1886 2300,1871 2309,1871 2374,1936 2400,1936 2416,1920 2416,1859 2360,1803 DT_FL_V_L.1@2237.4,1803 ; R_FL_V_L.1@2230,1920 2230,1864.4 2237.4,1857 DT_FL_V_L.1@2237.4,1803 ; DT_FL_V_L.1@2237.4,1802.2 DT_FL_V_L.1@2237.4,1803
NetDT_FL_V_L_2: DT_FL_V_L.2 DT_FL_V_L.5 R_DT_FL_V_L.2 | length 3989.1
  Top Layer w10: DT_FL_V_L.5@2200,1707.72 DT_FL_V_L.2@2200,1802.2 2200,1952 2210,1962 2266,1962 2267,1961 2267,1861 2290,1838 2338,1838 v1(2393,1893)
  Signal Layer 1 w12: v1(2393,1893) 4623.23,1893 4637.23,1907 4983,1907 5106,1784 5179,1784 v1(5264,1869)
  Signal Layer 2 w12: v1(5264,1869) v1(5264,2287)
  Bottom Layer w10: R_DT_FL_V_L.2@5230,2287 v1(5264,2287)
NetDT_FL_W_H_1: DT_FL_W_H.1 DT_FL_W_H.4 R_FL_W_H.1 | length 657.4
  Top Layer w10: DT_FL_W_H.4@2762.6,2717.72 2762.6,2652.4 2770,2645 R_FL_W_H.1@2770,2580 2770,2551 2840,2481 2850,2481 2901,2532 2901,2711.4 2837.4,2775 DT_FL_W_H.1@2837.4,2812.2
NetDT_FL_W_H_2: DT_FL_W_H.2 DT_FL_W_H.5 R_DT_FL_W_H.2 | length 4819.5
  Top Layer w10: v1(2788,1464) 2662,1590 2662,2818 2720,2876 2760,2876 2800,2836 DT_FL_W_H.2@2800,2812.2 DT_FL_W_H.5@2800,2717.72
  Signal Layer 1 w12: v1(2788,1464) 2839,1515 5442,1515 v1(5730,1803)
  Bottom Layer w10: v1(5730,1803) R_DT_FL_W_H.2@5730,1837
NetDT_FL_W_L_1: DT_FL_W_L.1 DT_FL_W_L.4 R_FL_W_L.1 | length 1198
  Top Layer w10: DT_FL_W_L.4@2762.6,1687.72 2762.6,1561.4 2826,1498 2826,1440 2856.51,1409.49 3000,1409.49 3069,1478.49 3069,1720 3007,1782 2837.4,1782 DT_FL_W_L.1@2837.4,1782.2 2837.4,1847 2830,1854.4 R_FL_W_L.1@2830,1920
NetDT_FL_W_L_2: DT_FL_W_L.2 DT_FL_W_L.5 R_DT_FL_W_L.2 | length 3631.3
  Top Layer w10: DT_FL_W_L.2@2800,1782.2 DT_FL_W_L.5@2800,1687.72 2810,1719 2924,1719 v1(3046,1597)
  Signal Layer 1 w12: v1(3046,1597) 5414,1597 v1(5590,1773)
  Signal Layer 2 w12: v1(5590,1773) v1(5590,2198)
  Bottom Layer w10: R_DT_FL_W_L.2@5480,2287 5480,2238 5520,2198 v1(5590,2198)
NetDT_FR_U_H_1: DT_FR_U_H.1 DT_FR_U_H.4 R_FR_U_H.1 | length 274.7
  Top Layer w10: DT_FR_U_H.4@1560.31,3190 DT_FR_U_H.4@1562.6,3187.72 1576.17,3201.29 1576.17,3210 1577.32,3210 1583.79,3216.46 1591.35,3216.46 1637.4,3262.52 DT_FR_U_H.1@1637.4,3282.2 1637.4,3412.6 R_FR_U_H.1@1630,3420
NetDT_FR_U_H_2: DT_FR_U_H.2 DT_FR_U_H.5 R_DT_FR_U_H.2 | length 4670.7
  Top Layer w10: v3(1430,3470) 1600,3300 DT_FR_U_H.2@1600,3282.2 1600,3280 1586.42,3266.42 1586.42,3261.07 1578.81,3253.46 1573.46,3253.46 1530,3210 1530,3160 1531.03,3158.97 1578.81,3158.97 1600,3180.16 DT_FR_U_H.5@1600,3187.72
  Signal Layer 1 w12: v3(1430,3470) 1650,3250 5336,3250 v1(5389,3197)
  Bottom Layer w10: v1(5389,3197) 5409,3177 R_DT_FR_U_H.2@5480,3177
NetDT_FR_U_L_1: DT_FR_U_L.1 DT_FR_U_L.4 R_FR_U_L.1 | length 840.9
  Top Layer w10: DT_FR_U_L.4@1562.6,4217.72 1562.6,4206 1570,4198.6 R_FR_U_L.1@1570,4080 1570,4057 1599,4028 1711,4028 1854,4171 1854,4228.27 1698.73,4228.27 1637.4,4289.6 DT_FR_U_L.1@1637.4,4312.2
NetDT_FR_U_L_2: DT_FR_U_L.2 DT_FR_U_L.5 R_DT_FR_U_L.2 | length 5329.8
  Top Layer w10: v1(1371,3926) 1371,4170.23 1541.77,4341 1590,4341 1600,4331 DT_FR_U_L.2@1600,4312.2 DT_FR_U_L.5@1600,4217.72
  Signal Layer 1 w12: v1(1371,3926) 1371,3190 1384,3177 v1(5264,3177)
  Bottom Layer w10: R_DT_FR_U_L.2@5230,3177 v1(5264,3177)
NetDT_FR_V_H_1: DT_FR_V_H.1 DT_FR_V_H.4 R_FR_V_H.1 | length 726.9
  Top Layer w10: DT_FR_V_H.4@2162.6,4217.72 2162.6,4152.4 2170,4145 R_FR_V_H.1@2170,4080 2193,4080 2193,4100 2205,4112 2262,4112 2262,4080 2302,4040 2348,4040 2368,4060 2368,4157.4 2237.4,4288 DT_FR_V_H.1@2237.4,4312.2
NetDT_FR_V_H_2: DT_FR_V_H.2 DT_FR_V_H.5 R_DT_FR_V_H.2 | length 4628.1
  Top Layer w10: DT_FR_V_H.5@2200,4217.72 DT_FR_V_H.2@2200,4312.2 2200,4331 2210,4341 2371,4341 2404,4308 v1(2404,3457)
  Signal Layer 1 w12: v1(2404,3457) 2775,3457 2912,3320 5528.35,3320 v1(5671.35,3177)
  Bottom Layer w10: v1(5671.35,3177) R_DT_FR_V_H.2@5730,3177
NetDT_FR_V_L_1: DT_FR_V_L.1 DT_FR_V_L.4 R_FR_V_L.1 | length 918.3
  Top Layer w10: DT_FR_V_L.4@2162.6,3187.72 2162.6,3160 2186.6,3136 2328,3136 2376,3184 2376,3508 2338,3508 2250,3420 R_FR_V_L.1@2230,3420 2230,3354.4 2237.4,3347 DT_FR_V_L.1@2237.4,3282.2
NetDT_FR_V_L_2: DT_FR_V_L.2 DT_FR_V_L.5 R_DT_FR_V_L.2 | length 3417.2
  Top Layer w10: DT_FR_V_L.5@2200,3187.72 DT_FR_V_L.2@2200,3282.2 2200,3447 2306,3553 v1(2371,3553)
  Signal Layer 1 w12: v1(2371,3553) v1(5230,3553)
  Bottom Layer w10: v1(5230,3553) R_DT_FR_V_L.2@5230,3637
NetDT_FR_W_H_1: DT_FR_W_H.1 DT_FR_W_H.4 R_FR_W_H.1 | length 300.5
  Top Layer w10: R_FR_W_H.1@2770,4080 2770,4147 2772.6,4149.6 DT_FR_W_H.4@2772.6,4217.72 2772.6,4270 2785.6,4283 2847.4,4283 DT_FR_W_H.1@2847.4,4312.2
NetDT_FR_W_H_2: DT_FR_W_H.2 DT_FR_W_H.5 R_DT_FR_W_H.2 | length 4359.4
  Top Layer w10: DT_FR_W_H.5@2810,4217.72 2810,4239 2820,4249 2841,4249 ; DT_FR_W_H.2@2810,4312.2 2810,4331 2820,4341 2872,4341 2872,4280 2841,4249 ; v1(2956,3447) 2956,4200 2907,4249 2841,4249
  Signal Layer 1 w12: v1(2956,3447) 3025,3378 5535,3378 5704.09,3208.91 v1(6019,3208.91)
  Bottom Layer w10: R_DT_FR_W_H.2@5980,3177 6006,3177 6019,3190 v1(6019,3208.91)
NetDT_FR_W_L_1: DT_FR_W_L.1 DT_FR_W_L.4 R_FR_W_L.1 | length 662.8
  Top Layer w10: DT_FR_W_L.4@2762.6,3187.72 2762.6,3210 2662,3310.6 2662,3420 2698,3456 2734,3456 2734,3400 2746,3388 2820,3388 2830,3398 ; R_FR_W_L.1@2830,3420 2830,3398 ; DT_FR_W_L.1@2837.4,3282.2 2837.4,3347 2830,3354.4 2830,3398
NetDT_FR_W_L_2: DT_FR_W_L.2 DT_FR_W_L.5 R_DT_FR_W_L.2 | length 3417.6
  Top Layer w10: DT_FR_W_L.2@2800,3282.2 DT_FR_W_L.5@2800,3187.72 2800,3167 2840,3127 2922,3127 3014,3219 v1(3014,3652)
  Signal Layer 1 w12: v1(3014,3652) 3087,3725 4365.61,3725 4453.61,3637 v1(5514,3637)
  Bottom Layer w10: R_DT_FR_W_L.2@5480,3637 v1(5514,3637)
NetFront_Left_?_3: Front_Left_?.3 STM32_?.45 | length 4252.7
  Top Layer w10: v1(5372.48,2106) 5379.74,2098.74 STM32_?.45@5417.17,2098.74
  Signal Layer 1 w12: Front_Left_?.3@1170,2100 5104.9,2100 5110.9,2106 v1(5372.48,2106)
NetFront_Left_Encoder_3: Front_Left_Encoder.3 STM32_?.173 | length 5771.4
  Top Layer w10: v1(1147.08,1840) 1147.16,1840.08 Front_Left_Encoder.3@1193.54,1840.08 ; STM32_?.173@6184.88,3043.62 6184.88,3005.12 v1(6185,3005)
  Signal Layer 1 w12: v1(1147.08,1840) 1383.08,2076 5121,2076 5131,2086 5334,2086 5346,2074 5400,2074 5420,2094 5420,2360 5480,2420 5600,2420 v1(6185,3005)
NetFront_Left_Encoder_4: Front_Left_Encoder.4 STM32_?.178 | length 5778.2
  Top Layer w10: v1(1123,1820.71) 1143,1800.71 Front_Left_Encoder.4@1193.54,1800.71 ; v1(6086,3082) 6086.46,3081.54 STM32_?.178@6086.46,3043.62
  Signal Layer 1 w12: v1(1123,1820.71) 1123,2120 1153,2150 1997,2150 2028,2181 3770.57,2181 4671.57,3082 v1(6086,3082)
NetFront_Left_Encoder_5: Front_Left_Encoder.5 STM32_?.180 | length 6012.3
  Top Layer w10: v1(1099,1761.34) Front_Left_Encoder.5@1193.54,1761.34 ; v1(6047,3136) 6047.09,3135.91 STM32_?.180@6047.09,3043.62
  Signal Layer 1 w12: v1(1099,1761.34) 1099,2287 1914,3102 6013,3102 v1(6047,3136)
NetFront_Left_Encoder_6: Front_Left_Encoder.6 STM32_?.53 | length 4534
  Top Layer w10: Front_Left_Encoder.6@1193.54,1721.97 1240,1721.97 v1(1240.97,1721) ; STM32_?.53@5495.91,1882.2 5495.91,1930.91 v1(5501,1936)
  Signal Layer 1 w12: v1(1240.97,1721) 1553.97,2034 1917,2034 1988,1963 5097,1963 5124,1936 v1(5501,1936)
NetFront_Right_?_3: Front_Right_?.3 STM32_?.50 | length 5855.3
  Top Layer w10: STM32_?.50@5417.17,2000.32 5455.68,2000.32 v1(5456,2000)
  Signal Layer 1 w12: v1(1402,2049) 1407,2054 1941,2054 1996,1999 5455,1999 v1(5456,2000)
  Signal Layer 2 w12: Front_Right_?.3@1170,3690 1323,3537 1323,2128 v1(1402,2049)
NetFront_Right_Encoder_3: Front_Right_Encoder.3 STM32_?.36 | length 7342.5
  Top Layer w10: v1(1147,4190.08) Front_Right_Encoder.3@1193.54,4190.08 ; STM32_?.36@5417.17,2275.91 5470.09,2275.91 5486,2260 5558,2260 5577.9,2279.9 5577.9,2449.1 v1(5567,2460)
  Signal Layer 1 w12: v1(1147,4190.08) 1123,4166.08 1123,3200 1196,3127 5749.56,3127 5786.56,3164 5975.14,3164 5979.14,3160 6070,3160 6110,3120 6110,3003 v1(5567,2460)